# Altium PCB M12_PCB.PcbDoc (continued)
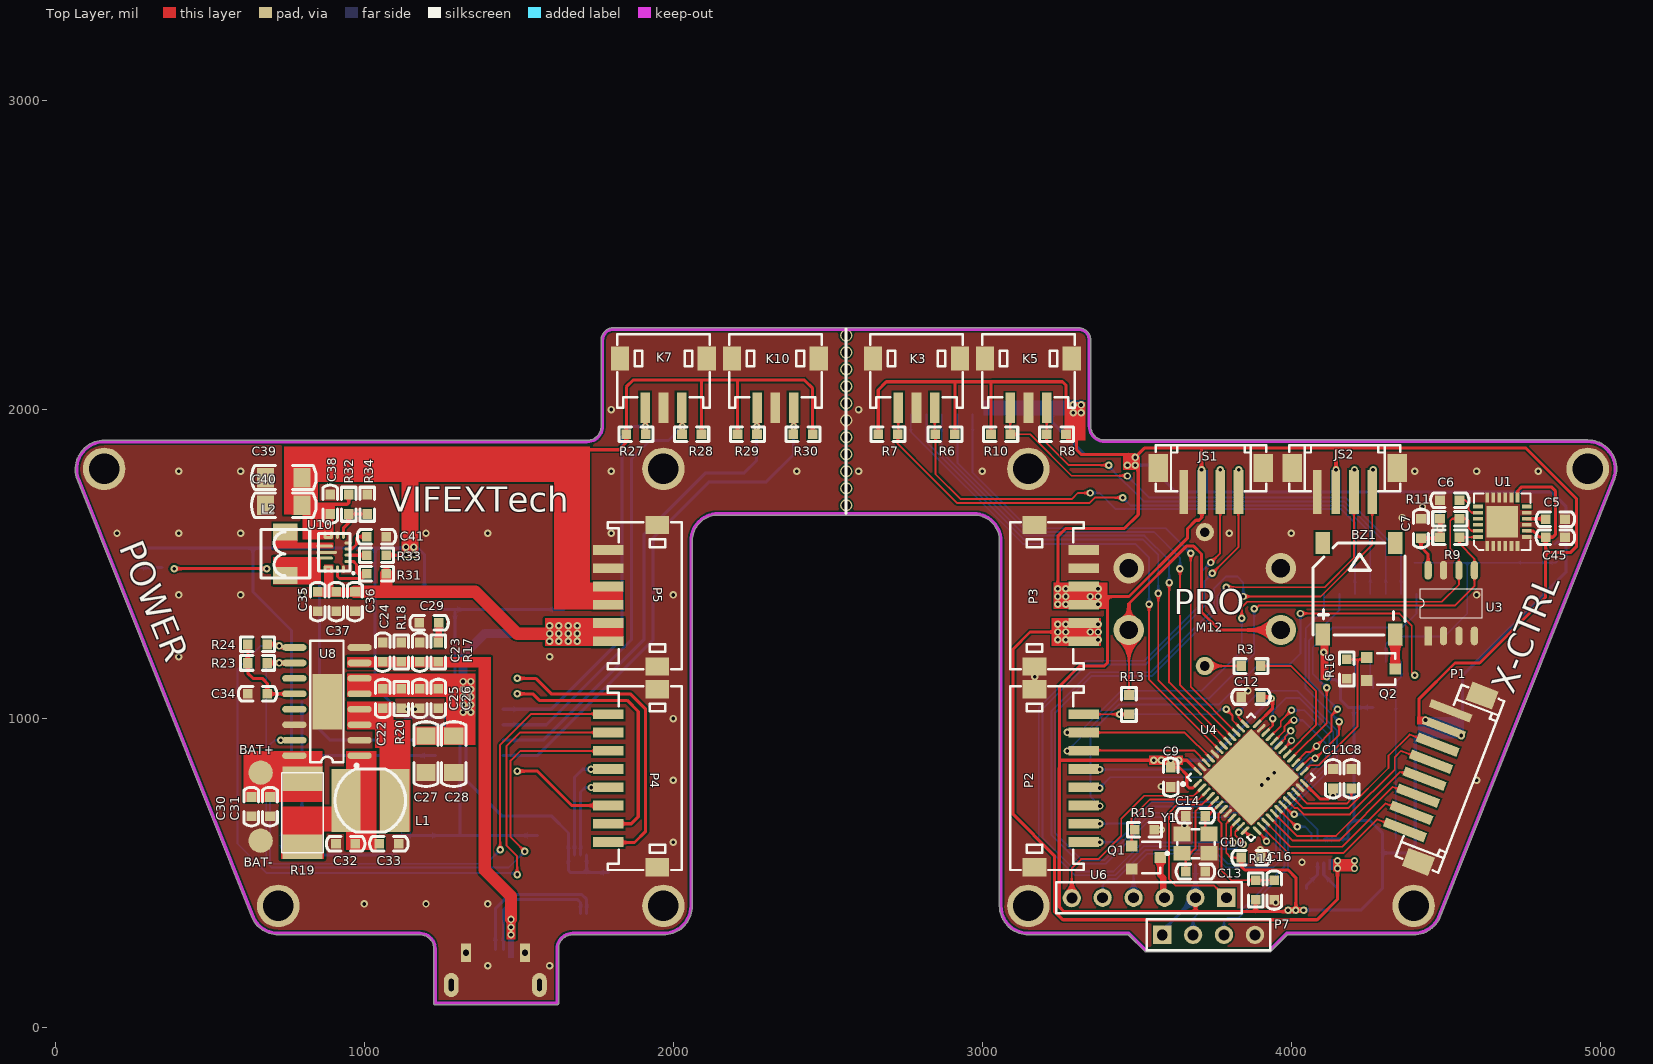
[diagram p0: Top Layer view]
## Footprints (in the part's own frame and the unit in brackets; to place one, negate y for a bottom-side part, rotate by r counter-clockwise, add the part's x,y. Pads: shape width x height; smd on the part's side, far side on the other; paste and mask are expansions set on the pad) (continued)
? [mm]
  round 2.5 hole 1.5: 1(-6.25,2.54) 1(6.25,2.54) 2(-6.25,-2.54) 2(6.25,-2.54)
  round 1.5 hole 0.8: 3(0,5.5) 4(0,-5.5)
  silkscreen extent -6.3,-6.3 6.3,6.3

## Part data
BAT+ BAT- M+ M-: library part Pad
BZ1: library part BZ
C1 C2 C3 C4 C5 C6 C7 C8 C9 C10 C11 C12 C13 C14 C15 C16 C17 C18 C19 C20 C21 C35 C36 C37 C38 C39 C40 C41 C42 C43 C44 C45: library part cap
C22 C23 C24 C25 C26 C27 C28 C29 C30 C31 C32 C33 C34: library part Cap
JS1 JS2: library part Joystick
K2 K4 K6 K8 K9 K11: library part SW-PB
K3 K5 K7 K10: library part KEY-3
L1 L2: library part "Inductor Iron 2"
P1 P2 P4: library part "Header 8", "Header, 8-Pin"
P3 P5: library part "Header 6", "Header, 6-Pin"
P6: library part "MICRO USB 5PIN"
P7: library part "Header 4", "Header, 4-Pin"
Q1 Q2: library part MOSFET-N
R1 R2 R3 R4 R5 R6 R7 R8 R9 R10 R11 R13 R14 R15 R16 R17 R18 R19 R20 R21 R22 R23 R24 R25 R26 R27 R28 R29 R30 R31 R32 R33 R34: library part Res
U3: "24CXX"
U4: library part STM32F401CCU6, "ARM Cortex-M4 32-bit MCU+FPU, 105 DMIPS, 256 kB Flash, 64 kB Internal RAM, 36 I/Os, 48-pin UFQFPN, -40 to 85 degC, Tray"
U5: "NRF24L01"
U6: "Bluetooth"
U8: "2A/1A Charger SoC"
U10: "降压-升压转换器"

## Free pads (board coordinates)
  round 137.8 hole 98.43 mask+4: ""(158.27,1807.87) ""(722.05,393.7) ""(1968.5,393.7) ""(1968.5,1807.87) ""(3149.61,393.7) ""(3149.61,1807.87) ""(4396.06,393.7) ""(4959.84,1807.87)
  round 39.37 hole 31.5 mask+4: ""(2560,1690) ""(2560,1745) ""(2560,1800) ""(2560,1855) ""(2560,1910) ""(2560,1965) ""(2560,2020) ""(2560,2075) ""(2560,2130) ""(2560,2185) ""(2560,2240)

## Via types
v1: diameter 24, hole 12, Top Layer to Bottom Layer, tented both sides, 190 vias

## Nets (pads, with @x,y where several pads share a name; then routed paths per layer and width w, separated by ;. In a path a pad name is that pad's centre, name@x,y a point inside that pad or via, vN(x,y) a via of type N, cw(c..) or ccw(c..) an arc to the next point about the centre after c; other vN are vias at no path point)
3V3: BZ1.1 C7.2 C9.2 C10.2 C11.2 C12.2 C15.2 C17.2 C19.2 C21.2 C43.2 C44.2 C45.2 JS1.2 JS2.2 P1.2 P3.3 P3.4 P7.1 R1.1 R2.1 R4.1 R5.1 R6.1 R7.1 R8.1 R9.2 R10.1 R11.2 R14.2 U1.8 U1.13 U2.16 U3.8 U4.1 U4.9 U4.24 U4.36 U4.48 U5.1 U6.2 U7.7 U7.8 | length 14796.1
  Top Layer w6: U4.9 3790,660.4 3790,565 3805,550 C10.2
  Top Layer w10: R7.1 2663.5,2063.5 2690,2090 3260,2090 3271.5,2078.5 R8.1 ; R6.1 2911.5,2088.5 ; R10.1 3028.5,2088.5 3030,2090 ; v1(3245,1420) 3245,1590 3270,1615 3460,1615 3505,1660 v1@3505,1845 ; 3249.47,840 3249.47,390.53 3265,375 3885,375 ; 3250,865 v1@3600,865 ; 3250,880 3250,1105 3315,1170 3395,1170 3405,1180 3405,1395 ; 3305,1915 3305,1870 3320,1855 v1@3495,1855 ; v1(3375,1395) 3405,1395 ; v1(3495,1845) 3505,1855 3525,1875 3695,1875 ; 3690,375 U6.2 ; U4.1 3681.89,775 3670,775 3661.89,783.11 3661.89,818.11 3638.5,841.5 C9.2 v1(3610,865) v1(3635.94,865) 3661.89,865 U4.48 ; v1(3710,1805) 3710,1875 4760,1875 4923,1712 4923,1556 4905,1538 4823.5,1538 ; JS1.2 3711.1,1651.1 3701.68,1641.68 3691.68,1641.68 3665,1615 3665,1585 3475,1395 3405,1395 ; C10.2 3838.5,521.5 3850,510 3990,510 4015,485 v1(4015,380) 4010,375 3885,375 ; R14.2 3885,375 ; U4.36 3940,1033.11 3940,1060 v1(3935,1065) 3930,1070 C12.2 ; U4.24 4093.11,740 4120,740 v1@4135,755 ; BZ1.1 BZ1.1@4105,1270.06 ; v1(4145,1805) 4145,1870 ; 4413,989 4413,1063 4530,1180 4610,1180 4823.5,1393.5 4823.5,1538 ; U3.8 4443.03,1531.97 4420,1555 C7.2 R9.2@4478.49,1583.5 ; R9.2 v1(4481.87,1615) R11.2 ; U1.13 4732.58,1736.58 4746,1750 4842,1750 4855,1737 4855,1595 4846.89,1586.89 C45.2 ; U1.8 4782.64,1607.36 4803.11,1586.89 C45.2 ; 4823.5,1538 C45.2
  Bottom Layer w10: C15.2 3225,1960 3330,1855 3455,1855 ; v1(3495,1820) 3540,1820 3626.87,1733.13 4481.87,1733.13 ; P7.1 3582.68,312.68 U6.2 C17.2 ; v1(3610,865) v1(3635.94,865) 3735,865 v1(3935,1065) ; v1(4015,380) 4225,380 4295,450 4295,630 4255,670 4200,670 ; U2.16 4106,1139 4119.03,1125.97 4144.03,1125.97 4160,1110 4160,1060 4184.5,1035.5 R5.1 ; U7.7@4108.1,610 C21.2 4183.5,653.5 4200,670 ; v1(4135,750) 4203,750 ; C44.2 v1(4145,1805) ; R4.1 R5.1 ; 4295,565 4375,565 4401.5,591.5 R1.1 4401.5,936.5 4415,950 4435,950 v1(4435,995) ; v1(4481.87,1615) 4481.87,1733.13 ; 4555,995 4555,1140 4890,1475 4890,1570 ; R2.1@4853.5,1565 R2.1 4888.5,1571.5 4890,1570 ; 4200,670 4203,673 4203,750 ; 4203,750 R5.1 ; 4481.87,1733.13 4841.87,1733.13 4890,1685 4890,1570
  other v1: 3990,380 4040,380 3555,865 3580,865 4550,945 4115,1135 4105,1215 3245,1370 3270,1370 3375,1370 3245,1395 3270,1395 3350,1395 3270,1420 3375,1420 3470,1820 3295,1990 3320,1990 3295,2015 3320,2015
+5V: C18.2 C20.1 P3.5 P3.6 U7.1 | length 2126.8
  Top Layer w10: v1(3245,1280) 3155,1280 3100,1225 3100,690 3233.47,556.53 3233.47,376.53 3261,349 4084,349 4150,415 v1(4150,515)
  other v1: 4205,515 4150,540 4205,540 3245,1255 3270,1255 3375,1255 3270,1280 3350,1280 3375,1280 3245,1305 3270,1305 3375,1305
BAT: BAT+.1 C30.2 C31.2 R19.1 U8.16
BT_GND: Q1.2 U6.3 | length 135.7
  Top Layer w20: Q1.2 3576.26,493.74 3586,484 3586,424 U6.3
BT_KEY: U4.4 U6.1 | length 581.3
  Top Layer w6: U4.4 3712.4,722 3632,722 3605,695 3605,480 3625,460 3750,460 U6.1
BT_POWER: Q1.1 R15.2 U4.3 | length 367.6
  Top Layer w6: Q1.1 3483.74,678.74 3543,738 3700.56,738 U4.3
BT_RXD: U4.32 U6.5 | length 1347.9
  Top Layer w6: U4.32 3978,959.76 3978,973.7 3999.3,995 v1(4009,995)
  Bottom Layer w6: U6.5 3390,460 3411,481 3434.94,481 3528.44,574.5 3749.5,574.5 3794,530 3934,530 3951,547 3951,711.61 4112,872.61 4112,920 4037,995 v1(4009,995)
BT_STATE: U4.2 U6.6 | length 658.2
  Top Layer w6: U6.6 3290,515 3320,545 3375,545 3450,620 3450,675 3525,750 3684.73,750 U4.2
BT_TXD: U4.33 U6.4 | length 1361.3
  Top Layer w6: U4.33 3966,975.6 3966,992 v1(4001,1027)
  Bottom Layer w6: U6.4 3490,518 3534.5,562.5 3744.53,562.5 3789.03,518 3942,518 3964,540 3964,707.64 4124,867.64 4124,945 4042,1027 v1(4001,1027)
BUZZ: Q2.1 R16.2 U4.25 | length 515.7
  Top Layer w6: U4.25 4062.11,849 4089,849 4215,975 4215,1191.5 ; R16.2 4215,1191.5 ; Q2.1 4238.17,1191.5 4215,1191.5
CHG-KEY: P2.1 R13.1 U4.38 | length 578.7
  Top Layer w6: P2.1 v1(3445,1013.78) 3474.72,1013.78 R13.1 ; v1(3790,1030) 3810,1010 3810,995.27 U4.38
  Bottom Layer w6: v1(3445,1013.78) 3753.78,1013.78 3770,1030 v1(3790,1030)
CPOUT: C6.1 U1.20 | length 88.2
  Top Layer w6: C6.1 4563.37,1706.89 4573.37,1696.89 4573.37,1676.89 4583.84,1666.42 U1.20
GND: BAT-.1 C1.1 C2.1 C3.1 C4.1 C5.2 C6.2 C7.1 C8.1 C9.1 C10.1 C11.1 C12.1 C13.2 C14.2 C15.1 C16.1 C17.1 C18.1 C19.1 C20.2 C21.1 C23.1 C24.1 C25.1 C26.1 C27.1 C28.1 C29.1 C30.1 C31.1 C32.1 C33.1 C34.1 C35.2 C36.2 C37.2 C38.2 C39.2 C40.2 C41.1 C42.1 C43.1 C44.1 C45.1 JS1.0 JS1.1 JS2.0 JS2.1 K1.2 K1.4 K2.1 K3.0 K3.2 K4.1 K5.0 K5.2 K6.1 K7.0 K7.2 K8.1 K9.1 K10.0 K10.2 K11.1 P1.0 P1.1 P2.0 P3.0 P3.1 P3.2 P4.0 P5.0 P5.5 P5.6 P6.0 P6.5 P7.4 pad.@158.27,1807.87 pad.@722.05,393.7 pad.@1968.5,393.7 pad.@1968.5,1807.87 pad.@2560,1965 pad.@3149.61,393.7 pad.@3149.61,1807.87 pad.@4396.06,393.7 pad.@4959.84,1807.87 Q1.3 Q2.3 R15.1 R16.1 R18.2 R20.2 R34.2 U1.0 U1.1 U1.2 U1.3 U1.4 U1.5 U1.6 U1.7 U1.9 U1.11 U1.14 U1.15 U1.16 U1.17 U1.18 U2.8 U2.15 U3.1 U3.2 U3.3 U3.4 U3.7 U4.8 U4.23 U4.35 U4.44 U4.47 U4.49 U5.8 U7.4 U7.9 U8.2 U8.8 U8.14 U8.17 U9.8 U9.15 U10.4 U10.6 U10.10 U10.15 U11.3 Y1.0
  other v1: 1400,200 1600,200 1000,400 1200,400 1400,400 3950,405 4035,535 3900,575 2000,600 3580,640 3655,655 3580,780 3905,785 2000,800 4600,800 3925,805 3945,825 2000,1000 1140,1030 1165,1030 3860,1090 3170,1135 400,1200 1600,1200 400,1400 600,1400 800,1400 2000,1400 4600,1400 200,1600 400,1600 600,1600 1200,1600 1400,1600 1800,1600 3800,1600 4000,1600 4360,1650 4425,1685 400,1800 600,1800 1800,1800 2400,1800 2600,1800 3000,1800 4400,1800 4600,1800 4800,1800 1800,2000 2600,2000
HC1_D0: K2.2 R1.2 U2.11 | length 580.1
  Bottom Layer w6: K2.2@4338.19,1068.5 4338.19,1118.19 4356,1136 U2.11 ; R1.2 K2.2@4338.5,1068.18
HC1_D1: K4.2 R2.2 U2.12 | length 989.5
  Bottom Layer w6: U2.12 4306,1241 4330,1265 4495,1265 4570,1340 4570,1504.33 ; K4.2@4399.61,1504.33 4570,1504.33 ; R2.2 4855.82,1504.33 4777.56,1504.33 4570,1504.33
HC1_D2: R4.2 U2.13 | length 88.6
  Bottom Layer w6: U2.13 4256,1139 4265,1130 4265,1099.5 R4.2
HC1_D3: R5.2 U2.14 | length 85.7
  Bottom Layer w6: R5.2 4206,1101.5 U2.14
HC1_D4: K3.1 R6.2 U2.3 | length 1882.7
  Top Layer w6: R6.2@2846.46,1922.05 K3.1 ; R6.2 2848.5,1791.5 2930,1710 3290,1710 3310,1730 v1(3350,1730)
  Bottom Layer w6: v1(3350,1730) 3380,1730 3432,1678 4162,1678 4206,1634 U2.3
HC1_D5: K3.3 R7.2 U2.4 | length 1975.6
  Top Layer w6: R7.2 2726.5,1889.5 2918,1698 3347.7,1698 3364.7,1715 v1(3455,1715) ; R7.2@2728.35,1921.85 K3.3
  Bottom Layer w6: v1(3455,1715) 3480,1690 4166.97,1690 4256,1600.97 U2.4
HC1_D6: K5.1 R8.2 U2.5 | length 1509.1
  Top Layer w6: R8.2 3208.5,1891.5 3280,1820 v1(3410,1820) v1@3410,1819.7 ; R8.2@3208.66,1924.84 K5.1
  Bottom Layer w6: v1(3410,1820) 3410,1815.3 3522.3,1703 4170.94,1703 4306,1567.94 U2.5
HC1_D7: K5.3 R10.2 U2.6 | length 1641.2
  Top Layer w6: R10.2@3090.55,1920.95 K5.3 ; R10.2 3155,1920 3289,1786 v1@3470,1786
  Bottom Layer w6: v1(3470,1785) 3540,1715 4175.91,1715 4356,1534.91 4356,1528.57 4355.17,1527.74 4355.17,1403.83 U2.6
HC2_D0: K8.2 R21.2 U9.11 | length 884.2
  Bottom Layer w10: R21.2 K8.2@796.5,677.56 ; K8.2@798.43,677.56 K8.2@798.43,1055.51 ; 798.43,875 803.43,880 U9.11
HC2_D1: K6.2 R22.2 U9.12 | length 1394.3
  Top Layer w10: v1(385,1485) v1(685,1485)
  Bottom Layer w10: R22.2 K6.2@345.35,1488.5 ; K6.2@725.59,1486.22 818.78,1486.22 855,1450 855,965 890,930 U9.12
HC2_D2: K9.2 R25.2 U9.13 | length 879.3
  Bottom Layer w10: R25.2 K9.2@1560.47,621.5 ; U9.13 1290,980 1310,960 1310,624.41
HC2_D3: K11.2 R26.2 U9.14 | length 812.3
  Bottom Layer w10: R26.2 K11.2@1267.36,1353.5 ; U9.14 1265,1030 1294,1059 K11.2@1294,1345 ; K11.2@1268.11,1352.75 K11.2@1646.06,1352.75
HC2_D4: K7.3 R27.2 U9.3 | length 1309.4
  Top Layer w6: K7.3 1911.5,2003.86 R27.2
  Bottom Layer w10: U9.3 1605,1030 1835,1260 1835,1915 1865,1945 v1(1910,1945)
HC2_D5: K7.1 R28.2 U9.4 | length 1410.8
  Top Layer w6: K7.1 2027.56,1925.95 R28.2@2033.5,1920
  Bottom Layer w10: U9.4 1590,980 1865,1255 1865,1840 1925,1900 1985,1900 v1(2030,1945)
HC2_D6: K10.3 R29.2 U9.5 | length 1592.1
  Top Layer w6: R29.2@2266.5,1920 2271.65,1925.16 K10.3
  Bottom Layer w10: U9.5 1580,930 1905,1255 1905,1595 2105,1795 2230,1795 2270,1835 v1(2270,1945)
HC2_D7: K10.1 R30.2 U9.6 | length 1713.5
  Top Layer w6: R30.2 2389.76,1921.26 v1(2389.76,1945) K10.1
  Bottom Layer w10: U9.6 1560,880 1935,1255 1935,1585 2115,1765 2300,1765 2389.76,1854.76 v1(2389.76,1945)
HC2_Q7: P2.6 U2.10 | length 1706
  Top Layer w6: v1(4030,1340) 4350,1340 4390,1300 4390,1150 v1(4400,1140)
  Bottom Layer w6: v1(3381,717) 3350,748 3350,953.03 3441.97,1045 3765,1045 3895,1175 3995,1175 4030,1210 v1(4030,1340)
HC_CP: P2.7 U2.2 U4.27 | length 1494.3
  Top Layer w6: U4.27 4049.44,892 4063,892 v1(4082,911) 4130,959 4130,1010 v1(4150,1030)
  Bottom Layer w6: v1(3380,660) 3479.09,660 3549.09,730 3901,730 v1(4082,911) ; v1(4150,1030) 4058,1122 4058,1253 4156,1351 U2.2
HC_PL: P2.8 U2.1 U4.26 | length 1513.9
  Top Layer w6: U4.26 4031.38,843.41 4059.97,872 v1(4077,872) 4080,872 4155,947 v1(4155,990)
  Bottom Layer w6: v1(3380,600) 3436.06,600 3551.06,715 3920,715 v1(4077,872) ; U2.1 4106,1351 4047,1292 4047,1260.03 4046,1259.03 4046,1099 4150.5,994.5 4146,990 v1(4155,990)
HC_Q7: U2.7 U4.28 | length 868.7
  Top Layer w6: U4.28 4115,985.4 v1(4115,1100)
  Bottom Layer w6: v1(4115,1100) 4070,1145 4070,1230 4135,1295 4360,1295 4406,1341 U2.7
JSL-X: C1.2 JS1.4 U4.10 | length 2270
  Top Layer w6: v1(3745,1470) 3829.21,1554.21 JS1.4 ; v1(3812,599) 3805,606 3805,647.56 U4.10
  Bottom Layer w6: v1(3745,1470) 3720,1445 3720,1365 3530,1175 3340,1175 3195,1030 3195,615 3305,505 3425,505 3519,599 v1(3812,599)
  other v1: 3830,1805
JSL-Y: C2.2 JS1.3 U4.11 | length 2312.8
  Top Layer w6: v1(3740,1505) 3770.16,1535.16 JS1.3 ; U4.11 3819,633.73 3819,621.7 3845,595.7 v1(3845,593)
  Bottom Layer w6: v1(3740,1505) 3708,1473 3708,1369.97 3525.03,1187 3335.03,1187 3183,1034.97 3183,610.03 3300.03,493 3429.97,493 3523.47,586.5 3754.47,586.5 3762.97,578 3820.7,578 3835.7,593 v1(3845,593)
  other v1: 3770,1805
JSR-X: C3.2 JS2.4 U4.12 | length 2755.2
  Top Layer w6: v1(3845,1395) 4095,1395 4262.28,1562.28 JS2.4 ; U4.12 3850.51,634.49 v1(3870,615)
  Bottom Layer w6: v1(3845,1395) 3845,1440 3825,1460 3790,1460 3750,1420 3750,1355 3545,1150 3350,1150 3223.99,1023.99 3223.99,624.04 3318.03,530 3400,530 3550.61,680.61 3804.39,680.61 v1(3870,615)
  other v1: 4265,1805
JSR-Y: C4.2 JS2.3 U4.13 | length 2707.9
  Top Layer w6: v1(3790,1425) 4108.03,1425 4203.23,1520.2 JS2.3 ; U4.13 3920,606.89 v1(3920,603)
  Bottom Layer w6: v1(3790,1425) 3762,1397 3762,1350.03 3549.97,1138 3354.97,1138 3235.99,1019.01 3235.99,629.01 3323,542 3395.03,542 3548.03,695 3886.23,695 3920,661.23 v1(3920,603)
  other v1: 4205,1805
L1: P4.7 R24.1 U8.9 | length 2552.3
  Top Layer w6: v1(1495,495) 1495,555 1460,590 1460,910 1505,955 P4.7@1795,955
  Top Layer w10: R24.1 720,1240 v1(725,1235) 730,1230 U8.9
  Bottom Layer w6: v1(725,1235) 665,1235 590,1160 590,595 685,500 1490,500 v1(1495,495)
L2: P4.6 R23.1 U8.10 | length 2277
  Top Layer w6: v1(1520,570) 1474,616 1474,864 1505,895 P4.6@1795,895
  Top Layer w10: R23.1 v1(725,1180) U8.10
  Bottom Layer w6: v1(725,1180) 700,1180 683,1163 683,535.03 700.03,518 1468,518 v1(1520,570)
LCD-BLK: P1.3 U4.21 | length 617
  Top Layer w6: U4.21 4039.6,710 4185,710 4315,840 4315,880 4383.3,948.3 P1.3
LCD-CS: P1.8 U4.14 | length 551.6
  Top Layer w6: U4.14 3989.73,565 4170,565 4278.62,673.62 P1.8
LCD-DC: P1.6 U4.16 | length 586.7
  Top Layer w6: U4.16 4005.4,605 4155,605 4328.69,778.69 P1.6
LCD-RST: P1.4 U4.20 | length 598.7
  Top Layer w6: U4.20 4010.76,711 4019,711 4040,690 4190,690 4335,835 4335,875 4355,895 P1.4
LCD-SCL: P1.7 U4.15 | length 568.3
  Top Layer w6: U4.15 3997.56,585 4165,585 4305,725 P1.7
LCD-SDA: P1.5 U4.17 | length 605.8
  Top Layer w6: U4.17 4018.24,620 4145,620 4352.75,827.75 P1.5
LED: R3.1 U4.29 | length 455
  Top Layer w6: R3.1 4000,1170 4080,1090 4080,978.24 U4.29
LX: C22.2 L1.2 U8.3 U8.4
M1-IN1: U4.19 U7.6 | length 178.3
  Top Layer w6: U4.19 4003.92,690 v1(4010,690)
  Bottom Layer w6: v1(4010,690) 4035,690 4085.5,639.5 U7.6
M1-IN2: U4.18 U7.5 | length 160.6
  Top Layer w6: U4.18 4016.08,650 v1(4020,650)
  Bottom Layer w6: v1(4020,650) 4045,650 4065.5,629.5 U7.5
MCU-RX: P2.4 U4.31 | length 734.3
  Top Layer w6: U4.31 3980,933.92 3980,941 v1(3999,960)
  Bottom Layer w6: v1(3380,835) 3874,835 v1(3999,960)
MCU-SCL: P2.2 R11.1 U1.23 U3.6 U4.45 | length 2335.1
  Top Layer w6: P2.2 3655.68,954.72 U4.45 ; v1(3840,1325) 3840,1360 3858,1378 4488,1378 4543.03,1433.03 U3.6 4543.03,1521.97 4515,1550 4515,1640 4521.89,1646.89 R11.1 4568.37,1646.89 4573.37,1641.89 4573.37,1616.89 4582.9,1607.36 U1.23
  Bottom Layer w6: v1(3275,955) 3315,955 3450,1090 3710,1090 3840,1220 v1(3840,1325)
MCU-SDA: P2.3 R9.1 U1.24 U3.5 U4.46 | length 2276.9
  Top Layer w6: P2.3 3328.74,897 3685.56,897 U4.46 ; v1(3880,1355) 3885,1355 3896,1366 4531,1366 4593.03,1428.03 U3.5 4593.03,1516.97 4544.86,1565.14 R9.1 4603.84,1586.89 U1.24
  Bottom Layer w6: v1(3275,895) 3445,1065 3735,1065 3880,1210 v1(3880,1355)
MCU-TX: P2.5 U4.30 | length 726.3
  Top Layer w6: U4.30 4001,927.08 v1(4001,929)
  Bottom Layer w6: v1(3380,775) 3415,810 3882,810 v1(4001,929)
NetBZ1_2: BZ1.2 Q2.2 | length 112.6
  Top Layer w10: BZ1.2@4336.6,1271.64 BZ1.2
  Top Layer w30: Q2.2 BZ1.2@4336.6,1271.64
NetC29_2: C29.2 R17.2 | length 64.1
  Top Layer w20: R17.2 1241.5,1247.99 C29.2
NetC32_2: C32.2 C33.2 L1.1 R19.2 U8.1
NetC41_2: C41.2 U10.3 | length 88.8
  Top Layer w10: U10.3 960.1,1548.61 975,1563.51 975,1583.51 980,1588.51 C41.2
NetK1_1: K1.1 R13.2 | length 1086.6
  Top Layer w6: R13.2 K1.1@3475,1285
  Top Layer w10: K1.1@3475,1285 3475,1372.37 3660.63,1558 3684.53,1558 3710,1532.53 3710,1345 3768.39,1286.61 K1.1@3966.53,1286.61
NetK1_3: K1.3 R3.2 | length 118.6
  Top Layer w6: K1.3 R3.2@3838.43,1170.08
  Bottom Layer w6: K1.3@3720,1170 K1.3@3720.47,1169.53
NetL2_1: L2.1 U10.11
NetL2_2: L2.2 U10.9
NetM1_1: M+.1 U7.2 | length 101
  Bottom Layer w10: U7.2 4105.5,494.5 M+.1
NetM2_1: M-.1 U7.3 | length 97.3
  Bottom Layer w10: M-.1@4050,450 4050,460 4085.5,495.5 U7.3
NetR31_1: R31.1 U10.1 U10.14 | length 219.3
  Top Layer w10: U10.14 913.55,1459.96 920,1453.51 993.5,1453.51 R31.1 980,1468.51 975,1473.51 975,1498.51 964.9,1508.61 U10.1
NetR32_2: R32.2 R34.1 U10.5 | length 135.8
  Top Layer w10: U10.5 932.55,1616.06 950,1633.51 R32.2 R34.1
NetR33_2: R33.2 U10.2 | length 60.6
  Top Layer w10: U10.2 1008.4,1528.61 R33.2
NRF_CE: U4.39 U5.2 | length 1644.5
  Top Layer w6: v1(3675,1535) 3675,1102.44 U4.39
  Bottom Layer w6: U5.2 2968.98,1796.02 3149,1616 3594,1616 v1(3675,1535)
NRF_CSN: U4.40 U5.3 | length 1653.8
  Top Layer w6: v1(3640,1485) 3640,1109.6 U4.40
  Bottom Layer w6: U5.3 2919.65,1828.38 3144.03,1604 3556,1604 3640,1520 v1(3640,1485)
NRF_MISO: U4.43 U5.6 | length 1712
  Top Layer w6: v1(3540,1370) 3540,1126.08 U4.43
  Bottom Layer w6: U5.6 2768.74,1928.38 3132.12,1565 3495,1565 3540,1520 v1(3540,1370)
NRF_MOSI: U4.42 U5.5 | length 1696.1
  Top Layer w6: v1(3570,1405) 3570,1123.92 U4.42
  Bottom Layer w6: U5.5 2819.96,1894.13 3134.09,1580 3520,1580 3570,1530 v1(3570,1405)
NRF_SCK: U4.41 U5.4 | length 1667.6
  Top Layer w6: v1(3605,1440) 3605,1116.76 U4.41
  Bottom Layer w6: U5.4 2868.98,1862.08 3139.06,1592 3524.97,1592 3605,1511.97 v1(3605,1440)
OSC_IN: C13.1 U4.5 Y1.1 | length 294.3
  Top Layer w6: Y1.1 3673.5,563.5 3690,580 3690,700 3700,710 3728.24,710 U4.5 ; C13.1 Y1.1@3658.5,551.69
OSC_OUT: C14.1 U4.6 Y1.2 | length 123.8
  Top Layer w6: Y1.2 3721.5,638.31 C14.1 3731.08,685 U4.6
"R +5V": C22.1 C25.2 C26.2 C27.2 C28.2 C35.1 C36.1 C37.1 P5.1 P5.2 R20.1 R31.2 U8.5 U8.6 U10.12 | length 1136.9
  Top Layer w40: C36.1 1359.99,1410.01 1495,1275 v1(1600,1275) ; 1071.5,1411.5 R31.2
  Bottom Layer w30: v1(1320,1120) 1320,1205 1390,1275 v1(1600,1275)
  other v1: 1320,1020 1345,1020 1320,1045 1345,1045 1320,1070 1345,1070 1320,1095 1345,1095 1345,1120 1600,1250 1630,1250 1660,1250 1690,1250 1630,1275 1660,1275 1690,1275 1600,1300 1630,1300 1660,1300 1690,1300
R-3V3: C38.1 C39.1 C40.1 C42.2 P5.3 P5.4 R21.1 R22.1 R25.1 R26.1 R27.1 R28.1 R29.1 R30.1 R32.1 R33.1 U9.16 U10.7 U11.7 U11.10 | length 5931.2
  Top Layer w10: 890,1693.51 945,1693.51 950,1698.51 R32.1 ; R33.1 v1@1125,1528.51 ; 1700,1870 1825,1870 1848.5,1893.5 R27.1 1848.5,2073.5 1870,2095 2425,2095 2451.5,2068.5 R30.1 ; R28.1 2091.5,2093.5 ; R29.1 2208.5,2091.5
  Bottom Layer w10: R22.1 1035,1551.5 ; 640,1551.5 640,1410 765,1285 765,880 733.5,848.5 R21.1 733.5,581.5 756.5,558.5 R25.1 ; R26.1 1195,1530 1173.5,1551.5 1035,1551.5 ; U9.16 1035,1130 ; U11.10 1720,501.5 ; C42.2 1720,501.5 ; 1035,1130 1035,1102.47 1134.47,1003 1289.63,1003 1330,962.63 1330,800 1445,685 1605.53,685 1660.94,629.58 U11.7 1660.94,509.06 1668.5,501.5 1720,501.5 ; 1035,1130 1035,1551.5
  other v1: 1135,1530 1160,1530 1135,1555 1160,1555
R-CHG-KEY: P4.8 U8.15 | length 1914.8
  Top Layer w6: v1(1440,575) 1440,915 1540,1015 P4.8@1789.37,1015
  Bottom Layer w6: v1(730,930) 710,930 695,915 695,540 705,530 1395,530 v1(1440,575)
R-HC2_Q7: P4.3 U9.7 | length 349.6
  Top Layer w10: v1(1495,830) 1560,830 1671.5,718.5 P4.3 ; P4.3@1774.13,715 P4.3@1780.55,721.42
R-HC_CP: P4.2 U9.2 | length 863.6
  Top Layer w10: v1(1495,1080) 1546.05,1080 1567.05,1059 1851,1059 1887,1023 1887,682 1864.45,659.45 P4.2
R-HC_PL: P4.1 U9.1 | length 989.5
  Top Layer w10: v1(1495,1130) 1555,1130 1605,1080 1861,1080 1911,1030 1911,635 1875,599 1790.76,599 P4.1
R-MCU-RX: P4.5 U11.8 | length 314.9
  Bottom Layer w10: U11.8 1680.63,809.63 1707,836 v1(1734,836)
R-MCU-TX: P4.4 U11.9 | length 244.1
  Bottom Layer w10: U11.9 1700.32,762.32 1715,777 v1(1735,777)
REGOUT: C5.1 U1.10 | length 62.1
  Top Layer w10: U1.10 4821.77,1646.73 C5.1
RST: C16.2 R14.1 U4.7 | length 392.8
  Top Layer w6: U4.7 3765,691.08 3765,670 3775,660 3775,507.99 3806.5,476.5 C16.2
SWCLK: P7.3 U4.37 | length 1280.5
  Top Layer w6: v1(3830,1020) 3830,1003.11 U4.37
  Bottom Layer w6: P7.3 3782.68,342.68 3795,355 3830,355 3990,515 3990,680.3 3989,681.3 3989,698.7 4148,857.7 4148,961.97 4019.97,1090 3900,1090 v1(3830,1020)
SWDIO: P7.2 U4.34 | length 1258
  Top Layer w6: U4.34 3940,977.44 v1(3940,1000)
  Bottom Layer w6: P7.2 3682.68,352.68 3700,370 3828.03,370 3978,519.97 3978,675.33 3977,676.33 3977,703.67 4136,862.67 4136,957 4026,1067 3984,1067 3940,1023 v1(3940,1000)
UD+: P6.3 U11.1 | length 498
  Bottom Layer w10: P6.3 1424.61,384.61 1470,430 1705,430 1720,415 U11.1
UD-: P6.2 U11.2 | length 430.9
  Bottom Layer w10: P6.2 1450.2,380.2 1484,414 1691,414 1700.32,404.68 U11.2
USB-VCC: C23.2 C24.2 P6.1 R17.1 R18.1 U8.7 | length 865.2
  Top Layer w40: 1390,1180 1390,510 1475,425 v1(1475,350)
  other v1: 1475,300 1475,325
VCAP_1: C8.2 U4.22 | length 235.6
  Top Layer w6: U4.22 4052.44,725 4180,725 4195,740 C8.2
VREG: C34.2 R23.2 R24.2 U8.12 | length 291.2
  Top Layer w10: R24.2 R23.2 623.5,1146.5 640,1130 670,1130 686.5,1113.5 C34.2 U8.12
pads on no net: BZ1.3 BZ1.4 P6.4 U1.12 U1.19 U1.21 U1.22 U2.9 U5.7 U8.11 U8.13 U9.9 U9.10 U11.4 U11.5 U11.6

## Polygon pours and split planes (outlines as drawn)
GND on Top Layer "GND" (solid, remove dead copper, pour order 0): 25,2320 45,2300 5075,2300 5075,40 5145,-30 5125,-10 -15,-10
GND on Bottom Layer "GND" (solid, remove dead copper, pour order 2): 5,2290 5070,2290 5090,2310 5100,2300 5100,60 -20,60 -30,50

## Keep-outs
Keep-Out Layer:
  lines w10: 75.92,1775.25 cw(c158.62,1807) 158.62,1895.58 1721.65,1895.58 ccw(c1721.65,1945.58) 1771.65,1945.58 ; 75.89,1775.32 641.77,356.27 ccw(c722.05,393.7) 722.05,305.12 1180.32,305.12 cw(c1180.32,255.12) 1230.32,255.12 ; 1771.65,1948.82 1771.65,2224.41 cw(c1807.24,2224.41) 1807.24,2260 ; 1811.02,2260 3307.09,2260 ; 3310.87,2260 cw(c3310.87,2224.41) 3346.46,2224.41 3346.46,1948.82 ; 1230.32,236.22 1230.32,255.12 ; 1230.32,236.22 1230.32,78.74 1624.02,78.74 1624.02,236.22 ; 1230.32,236.22 1230.32,255.12 ; 1624.02,236.22 1624.02,255.12 ; 1624.02,236.22 1624.02,255.12 ; 1624.02,255.12 cw(c1674.02,255.12) 1674.02,305.12 1968.5,305.12 ccw(c1968.5,393.7) 2057.09,393.7 2057.09,1574.8 cw(c2145.67,1574.8) 2145.67,1663.39 2972.44,1663.39 cw(c2972.44,1574.8) 3061.02,1574.8 3061.02,393.7 ccw(c3149.61,393.7) 3149.61,305.12 3474.88,305.12 3530,250 3930,250 3985.12,305.12 4396.06,305.12 ccw(c4396.06,393.7) 4476.35,356.26 5042.54,1776.13 ccw(c4959.84,1807.87) 4959.84,1896.46 3396.46,1896.46 cw(c3396.46,1946.46) 3346.46,1946.46 ; 3346.46,1946.46 3346.46,1948.82 ; 3346.46,1946.46 3346.46,1948.82

## Other copper
Top Layer:
  rectangle net 3V3: 4407,980 4440,1006
  rectangle net "R +5V": 1585,1235 1840,1325
  rectangle net USB-VCC: 1460,285 1490,365
  rectangle net R-3V3: 1615,1365 1730,1845
  rectangle net R-3V3: 740,1765 1730,1880
  rectangle net R-3V3: 740,1660 850,1840
  rectangle net R-3V3: 1615,1353 1838,1440
  rectangle net NetL2_2: 710,1555 785,1620
  rectangle net 3V3: 4095,1125 4120,1250
  rectangle net 3V3: 3245,840 3255,890
  rectangle net 3V3: 3980,370 4050,390
  rectangle net 3V3: 3690,1870 3730,1880
  rectangle net 3V3: 3455,1805 3505,1855
  rectangle net 3V3: 3540,850 3650,880
  rectangle net +5V: 4135,505 4210,545
  rectangle net 3V3: 3271.5,1900 3335,2025
  region net NetC32_2: 1040,895 941.26,895 941.26,575 1040,575
  region net NetC32_2: 930,715 730,715 730,635 930,635
  region net NetC32_2: 870,715 730,715 730,545 870,545
  region net BAT: 865,895 610,895 610,730 865,730
  region net LX: 1095,1055 945,1055 945,965 1095,965
  region net LX: 1150,995 1050,995 1050,635 1150,635
  region net LX: 1080,995 1035,995 1035,905 1080,905
  region net "R +5V": 1330,1145 945,1145 945,1070 1330,1070
  region net "R +5V": 1325,975 1165,975 1165,915 1325,915
  region net "R +5V": 1360,1145 1265,1145 1265,915 1360,915
  region net USB-VCC: 1410,1200 945,1200 945,1165 1410,1165
  region net NetL2_1: 705,1523.51 705,1433.51 860,1433.51 860,1523.51
  region net NetL2_2: 705,1570 705,1550 900,1550 900,1570
  region net "R +5V": 835,1423.51 835,1393.51 985,1393.51 985,1423.51
  region net "R +5V": 870,1498.51 870,1393.51 900,1393.51 900,1498.51
  region net R-3V3: 800,1698.51 800,1580 900,1580 900,1698.51
  region net R-3V3: 765,1698.51 765,1658.51 905,1658.51 905,1698.51
  rectangle net 3V3: 3230,1355 3405,1440
  rectangle net +5V: 3225,1235 3385,1325
  rectangle net R-3V3: 1120,1520 1175,1780
Bottom Layer:
  rectangle net "R +5V": 1305,1005 1360,1140
  rectangle net "R +5V": 1585,1240 1750,1315
  rectangle net USB-VCC: 1465,225 1485,365
  rectangle net 3V3: 3980,370 4050,390
  region net 3V3: 4160,1733.13 4160,1805.94 4129.06,1805.94 4129.06,1733.13
  rectangle net 3V3: 3695,1733.13 3730,1805
  rectangle net 3V3: 4410,935 4560,1005
  rectangle net 3V3: 3455,1805 3510,1855
  rectangle net 3V3: 3540,850 3650,880
  rectangle net 3V3: 3230,1355 3385,1440
  rectangle net +5V: 3230,1235 3385,1325
  rectangle net 3V3: 3005,1980 3330,2030
  region net +5V: 4120,545 4120,510 4210,510 4210,545
  rectangle net R-3V3: 1120,1520 1175,1565

## Silkscreen, mask and mechanical layers (free items; w line width, h text height)
Top Overlay:
  lines w10: 2559.06,1663.39 2559.06,2260
  text "VIFEXTech" at 1080,1670 h80
  text "POWER" at 205,1555 h80 r292.35
  text "PRO" at 3620,1337 h80
  text "M12" at 3691,1281 h30
  text "X-CTRL" at 4718,1075 h80 r67.5
Mechanical 1:
  lines w10: 75.92,1775.25 cw(c158.62,1807) 158.62,1895.58 1721.65,1895.58 ccw(c1721.65,1945.58) 1771.65,1945.58 ; 75.89,1775.32 641.77,356.27 ccw(c722.05,393.7) 722.05,305.12 1180.32,305.12 cw(c1180.32,255.12) 1230.32,255.12 ; 1771.65,1948.82 1771.65,2224.41 cw(c1807.24,2224.41) 1807.24,2260 ; 1811.02,2260 3307.09,2260 ; 3310.87,2260 cw(c3310.87,2224.41) 3346.46,2224.41 3346.46,1948.82 ; 1230.32,236.22 1230.32,255.12 ; 1230.32,236.22 1230.32,78.74 1624.02,78.74 1624.02,236.22 ; 1230.32,236.22 1230.32,255.12 ; 1624.02,236.22 1624.02,255.12 ; 1624.02,236.22 1624.02,255.12 ; 1624.02,255.12 cw(c1674.02,255.12) 1674.02,305.12 1968.5,305.12 ccw(c1968.5,393.7) 2057.09,393.7 2057.09,1574.8 cw(c2145.67,1574.8) 2145.67,1663.39 2972.44,1663.39 cw(c2972.44,1574.8) 3061.02,1574.8 3061.02,393.7 ccw(c3149.61,393.7) 3149.61,305.12 3474.88,305.12 3530,250 3930,250 3985.12,305.12 4396.06,305.12 ccw(c4396.06,393.7) 4476.35,356.26 5042.54,1776.13 ccw(c4959.84,1807.87) 4959.84,1896.46 3396.46,1896.46 cw(c3396.46,1946.46) 3346.46,1946.46 ; 3346.46,1946.46 3346.46,1948.82 ; 3346.46,1946.46 3346.46,1948.82

## Text inside footprints (layer, text, board x,y; h text height)
K1: Bottom Overlay "+" at 3785.47,1211.61 h60 r180
U5: Bottom Overlay "VCC" at 3005,2045 h30 r270; Bottom Overlay "GND" at 2655,2045 h30 r270; Bottom Overlay "CE" at 2955,2045 h30 r270; Bottom Overlay "CSN" at 2905,2045 h30 r270; Bottom Overlay "SCK" at 2855,2045 h30 r270; Bottom Overlay "MOSI" at 2805,2045 h30 r270; Bottom Overlay "MISO" at 2755,2045 h30 r270; Bottom Overlay "IRQ" at 2705,2045 h30 r270